# KiCad board PixelWave.kicad_pcb (continued)
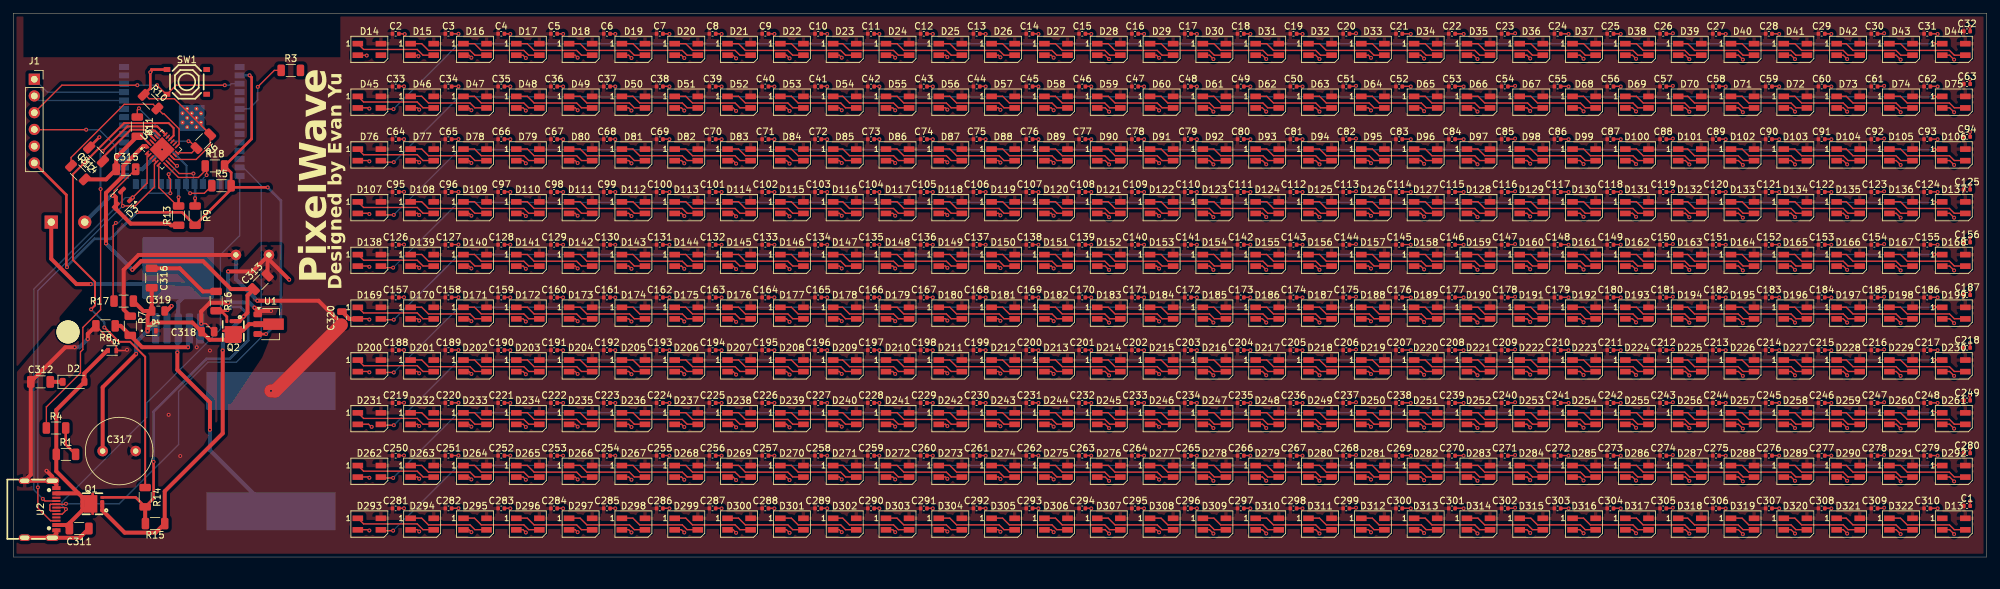
[diagram p0: board, top side]
## Routing (per net, layer and track width the routed paths; a pad name or vN(x,y) marks a point on that pad's centre or on a via; arc(x,y) is an arc through that point) (continued)
Net-(D18-DOUT): length 12.2
  Top w0.2: D18.1 85.87,77.87 86.9,76.85 93.35,76.85 94.08,76.12 D19.3
Net-(D19-DOUT): length 12.2
  Top w0.2: D19.1 93.87,77.87 94.9,76.85 101.35,76.85 102.08,76.12 D20.3
Net-(D20-DOUT): length 12.2
  Top w0.2: D20.1 101.87,77.87 102.9,76.85 109.35,76.85 110.08,76.12 D21.3
Net-(D21-DOUT): length 12.2
  Top w0.2: D21.1 109.87,77.87 110.9,76.85 117.35,76.85 118.08,76.12 D22.3
Net-(D22-DOUT): length 12.2
  Top w0.2: D23.3 126.08,76.12 125.35,76.85 118.9,76.85 117.87,77.87 D22.1
Net-(D23-DOUT): length 12.2
  Top w0.2: D24.3 134.07,76.12 133.35,76.85 126.68,76.85 125.65,77.87 D23.1
Net-(D24-DOUT): length 12.2
  Top w0.2: D24.1 133.87,77.87 134.9,76.85 141.35,76.85 142.07,76.12 D25.3
Net-(D25-DOUT): length 12.2
  Top w0.2: D25.1 141.87,77.87 142.9,76.85 149.35,76.85 150.07,76.12 D26.3
Net-(D26-DOUT): length 12.2
  Top w0.2: D27.3 158.07,76.12 157.35,76.85 150.9,76.85 149.87,77.87 D26.1
Net-(D27-DOUT): length 12.2
  Top w0.2: D28.3 166.07,76.12 165.35,76.85 158.9,76.85 157.87,77.87 D27.1
Net-(D28-DOUT): length 12.2
  Top w0.2: D28.1 165.87,77.87 166.9,76.85 173.3,76.85 174.03,76.12 D29.3
Net-(D29-DOUT): length 12.2
  Top w0.2: D29.1 173.87,77.87 174.9,76.85 181.2,76.85 181.93,76.12 D30.3
Net-(D30-DOUT): length 12.2
  Top w0.2: D31.3 190.03,76.12 189.3,76.85 182.9,76.85 181.87,77.87 D30.1
Net-(D31-DOUT): length 12.2
  Top w0.2: D31.1 189.87,77.87 190.9,76.85 197.3,76.85 198.03,76.12 D32.3
Net-(D32-DOUT): length 12.2
  Top w0.2: D32.1 197.87,77.87 198.9,76.85 205.4,76.85 206.12,76.12 D33.3
Net-(D33-DOUT): length 12.2
  Top w0.2: D34.3 214.03,76.12 213.3,76.85 206.9,76.85 205.87,77.87 D33.1
Net-(D34-DOUT): length 12.2
  Top w0.2: D35.3 222.12,76.12 221.4,76.85 214.9,76.85 213.87,77.87 D34.1
Net-(D35-DOUT): length 12.2
  Top w0.2: D36.3 230.12,76.12 229.4,76.85 222.9,76.85 221.87,77.87 D35.1
Net-(D36-DOUT): length 12.2
  Top w0.2: D36.1 229.87,77.87 230.9,76.85 237.4,76.85 238.12,76.12 D37.3
Net-(D37-DOUT): length 12.2
  Top w0.2: D37.1 237.87,77.87 238.9,76.85 245.35,76.85 246.07,76.12 D38.3
Net-(D38-DOUT): length 12.2
  Top w0.2: D38.1 245.87,77.87 246.9,76.85 253.2,76.85 253.93,76.12 D39.3
Net-(D39-DOUT): length 12.2
  Top w0.2: D40.3 262.03,76.12 261.3,76.85 254.68,76.85 253.65,77.87 D39.1
Net-(D40-DOUT): length 12.2
  Top w0.2: D41.3 270.03,76.12 269.3,76.85 262.9,76.85 261.87,77.87 D40.1
Net-(D41-DOUT): length 12.2
  Top w0.2: D41.1 269.87,77.87 270.9,76.85 277.2,76.85 277.93,76.12 D42.3
Net-(D42-DOUT): length 12.2
  Top w0.2: D42.1 277.65,77.87 278.68,76.85 285.2,76.85 285.93,76.12 D43.3
Net-(D43-DOUT): length 12.2
  Top w0.2: D44.3 294.03,76.12 293.3,76.85 286.9,76.85 285.87,77.87 D43.1
Net-(D44-DOUT): length 240.7
  Top w0.2: D45.3 55.87,67.95 v1(57.6,67.95) ; v1(290.9,77.85) 291,77.85 291.03,77.87 D44.1
  Bottom w0.2: v1(57.6,67.95) 67.5,77.85 v1(290.9,77.85)
Net-(D45-DOUT): length 12.2
  Top w0.2: 52.2,69.9 53.08,69.02 61.2,69.02 62.08,68.15 63.7,68.15
Net-(D46-DOUT): length 12.2
  Top w0.2: 60.2,69.9 61.87,69.9 62.9,68.88 69.2,68.88 69.93,68.15 71.7,68.15
Net-(D47-DOUT): length 12.2
  Top w0.2: 79.7,68.15 78.08,68.15 77.35,68.88 70.9,68.88 69.87,69.9 68.2,69.9
Net-(D48-DOUT): length 12.2
  Top w0.2: 87.7,68.15 86.08,68.15 85.35,68.88 78.9,68.88 77.87,69.9 76.2,69.9
Net-(D49-DOUT): length 12.2
  Top w0.2: 95.7,68.15 94.08,68.15 93.35,68.88 86.9,68.88 85.87,69.9 84.2,69.9
Net-(D50-DOUT): length 12.2
  Top w0.2: 92.2,69.9 93.87,69.9 94.9,68.88 101.35,68.88 102.08,68.15 103.7,68.15
Net-(D51-DOUT): length 12.2
  Top w0.2: 100.2,69.9 101.87,69.9 102.9,68.88 109.35,68.88 110.08,68.15 111.7,68.15
Net-(D52-DOUT): length 12.2
  Top w0.2: 108.2,69.9 109.87,69.9 110.9,68.88 117.35,68.88 118.08,68.15 119.7,68.15
Net-(D53-DOUT): length 12.2
  Top w0.2: 116.2,69.9 117.87,69.9 118.9,68.88 125.35,68.88 126.08,68.15 127.7,68.15
Net-(D54-DOUT): length 12.2
  Top w0.2: 135.7,68.15 134.07,68.15 133.35,68.88 126.68,68.88 125.65,69.9 124.2,69.9
Net-(D55-DOUT): length 12.2
  Top w0.2: 132.2,69.9 133.87,69.9 134.9,68.88 141.35,68.88 142.07,68.15 143.7,68.15
Net-(D56-DOUT): length 12.2
  Top w0.2: 140.2,69.9 141.87,69.9 142.9,68.88 149.35,68.88 150.07,68.15 151.7,68.15
Net-(D57-DOUT): length 12.2
  Top w0.2: 159.7,68.15 158.07,68.15 157.35,68.88 150.9,68.88 149.87,69.9 148.2,69.9
Net-(D58-DOUT): length 12.2
  Top w0.2: 167.7,68.15 166.07,68.15 165.35,68.88 158.9,68.88 157.87,69.9 156.2,69.9
Net-(D59-DOUT): length 12.2
  Top w0.2: 164.2,69.9 165.87,69.9 166.9,68.88 173.3,68.88 174.03,68.15 175.7,68.15
Net-(D60-DOUT): length 12.2
  Top w0.2: 172.2,69.9 173.87,69.9 174.9,68.88 181.2,68.88 181.93,68.15 183.7,68.15
Net-(D61-DOUT): length 12.2
  Top w0.2: 191.7,68.15 190.03,68.15 189.3,68.88 182.9,68.88 181.87,69.9 180.2,69.9
Net-(D62-DOUT): length 12.2
  Top w0.2: 188.2,69.9 189.87,69.9 190.9,68.88 197.3,68.88 198.03,68.15 199.7,68.15
Net-(D63-DOUT): length 12.2
  Top w0.2: 196.2,69.9 197.87,69.9 198.9,68.88 205.4,68.88 206.12,68.15 207.7,68.15
Net-(D64-DOUT): length 12.2
  Top w0.2: 215.7,68.15 214.03,68.15 213.3,68.88 206.9,68.88 205.87,69.9 204.2,69.9
Net-(D65-DOUT): length 12.2
  Top w0.2: 212.2,69.9 213.87,69.9 214.9,68.88 221.4,68.88 222.12,68.15 223.7,68.15
Net-(D66-DOUT): length 12.2
  Top w0.2: 220.2,69.9 221.87,69.9 222.9,68.88 229.4,68.88 230.12,68.15 231.7,68.15
Net-(D67-DOUT): length 12.2
  Top w0.2: 239.7,68.15 238.12,68.15 237.4,68.88 230.9,68.88 229.87,69.9 228.2,69.9
Net-(D68-DOUT): length 12.2
  Top w0.2: 236.2,69.9 237.87,69.9 238.9,68.88 245.35,68.88 246.07,68.15 247.7,68.15
Net-(D69-DOUT): length 12.2
  Top w0.2: 244.2,69.9 245.87,69.9 246.9,68.88 253.2,68.88 253.93,68.15 255.7,68.15
Net-(D70-DOUT): length 12.2
  Top w0.2: 263.7,68.15 262.03,68.15 261.3,68.88 254.68,68.88 253.65,69.9 252.2,69.9
Net-(D71-DOUT): length 12.2
  Top w0.2: 260.2,69.9 261.87,69.9 262.9,68.88 269.3,68.88 270.03,68.15 271.7,68.15
Net-(D72-DOUT): length 12.2
  Top w0.2: 268.2,69.9 269.87,69.9 270.9,68.88 277.2,68.88 277.93,68.15 279.7,68.15
Net-(D73-DOUT): length 12.2
  Top w0.2: 276.2,69.9 277.65,69.9 278.68,68.88 285.2,68.88 285.93,68.15 287.7,68.15
Net-(D74-DOUT): length 12.2
  Top w0.2: 295.7,68.15 294.03,68.15 293.3,68.88 286.9,68.88 285.87,69.9 284.2,69.9
Net-(D75-DOUT): length 240.7
  Top w0.2: v1(57.65,59.9) 55.92,59.9 55.75,60.07 ; 292.25,69.82 291.07,69.82 v1(291.05,69.8)
  Bottom w0.2: v1(57.65,59.9) 67.55,69.8 v1(291.05,69.8)
Net-(D76-DOUT): length 12.2
  Top w0.2: 63.7,60.15 62.08,60.15 61.2,61.02 53.08,61.02 52.2,61.9
Net-(D77-DOUT): length 12.2
  Top w0.2: 71.7,60.15 69.93,60.15 69.2,60.88 62.9,60.88 61.87,61.9 60.2,61.9
Net-(D78-DOUT): length 12.2
  Top w0.2: 68.2,61.9 69.87,61.9 70.9,60.88 77.35,60.88 78.08,60.15 79.7,60.15
Net-(D79-DOUT): length 12.2
  Top w0.2: 87.7,60.15 86.08,60.15 85.35,60.88 78.9,60.88 77.87,61.9 76.2,61.9
Net-(D80-DOUT): length 12.2
  Top w0.2: 84.2,61.9 85.87,61.9 86.9,60.88 93.35,60.88 94.08,60.15 95.7,60.15
Net-(D81-DOUT): length 12.2
  Top w0.2: 103.7,60.15 102.08,60.15 101.35,60.88 94.9,60.88 93.87,61.9 92.2,61.9
Net-(D82-DOUT): length 12.2
  Top w0.2: 111.7,60.15 110.08,60.15 109.35,60.88 102.9,60.88 101.87,61.9 100.2,61.9
Net-(D83-DOUT): length 12.2
  Top w0.2: 108.2,61.9 109.87,61.9 110.9,60.88 117.35,60.88 118.08,60.15 119.7,60.15
Net-(D84-DOUT): length 12.2
  Top w0.2: 127.7,60.15 126.08,60.15 125.35,60.88 118.9,60.88 117.87,61.9 116.2,61.9
Net-(D85-DOUT): length 12.2
  Top w0.2: 135.7,60.15 134.07,60.15 133.35,60.88 126.68,60.88 125.65,61.9 124.2,61.9
Net-(D86-DOUT): length 12.2
  Top w0.2: 132.2,61.9 133.87,61.9 134.9,60.88 141.35,60.88 142.07,60.15 143.7,60.15
Net-(D87-DOUT): length 12.2
  Top w0.2: 140.2,61.9 141.87,61.9 142.9,60.88 149.35,60.88 150.07,60.15 151.7,60.15
Net-(D88-DOUT): length 12.2
  Top w0.2: 148.2,61.9 149.87,61.9 150.9,60.88 157.35,60.88 158.07,60.15 159.7,60.15
Net-(D89-DOUT): length 12.2
  Top w0.2: 156.2,61.9 157.87,61.9 158.9,60.88 165.35,60.88 166.07,60.15 167.7,60.15
Net-(D90-DOUT): length 12.2
  Top w0.2: 164.2,61.9 165.87,61.9 166.9,60.88 173.3,60.88 174.03,60.15 175.7,60.15
Net-(D91-DOUT): length 12.2
  Top w0.2: 183.7,60.15 181.93,60.15 181.2,60.88 174.9,60.88 173.87,61.9 172.2,61.9
Net-(D92-DOUT): length 12.2
  Top w0.2: 191.7,60.15 190.03,60.15 189.3,60.88 182.9,60.88 181.87,61.9 180.2,61.9
Net-(D93-DOUT): length 12.2
  Top w0.2: 199.7,60.15 198.03,60.15 197.3,60.88 190.9,60.88 189.87,61.9 188.2,61.9
Net-(D94-DOUT): length 12.2
  Top w0.2: 207.7,60.15 206.12,60.15 205.4,60.88 198.9,60.88 197.87,61.9 196.2,61.9
Net-(D95-DOUT): length 12.2
  Top w0.2: 215.7,60.15 214.03,60.15 213.3,60.88 206.9,60.88 205.87,61.9 204.2,61.9
Net-(D96-DOUT): length 12.2
  Top w0.2: 212.2,61.9 213.87,61.9 214.9,60.88 221.4,60.88 222.12,60.15 223.7,60.15
Net-(D97-DOUT): length 12.2
  Top w0.2: 231.7,60.15 230.12,60.15 229.4,60.88 222.9,60.88 221.87,61.9 220.2,61.9
Net-(D98-DOUT): length 12.2
  Top w0.2: 239.7,60.15 238.12,60.15 237.4,60.88 230.9,60.88 229.87,61.9 228.2,61.9
Net-(D100-DIN): length 12.2
  Top w0.2: 236.2,61.9 237.87,61.9 238.9,60.88 245.35,60.88 246.07,60.15 247.7,60.15
Net-(D100-DOUT): length 12.2
  Top w0.2: 244.2,61.9 245.87,61.9 246.9,60.88 253.2,60.88 253.93,60.15 255.7,60.15
Net-(D101-DOUT): length 12.2
  Top w0.2: 252.2,61.9 253.65,61.9 254.68,60.88 261.3,60.88 262.03,60.15 263.7,60.15
Net-(D102-DOUT): length 12.2
  Top w0.2: 271.7,60.15 270.03,60.15 269.3,60.88 262.9,60.88 261.87,61.9 260.2,61.9
Net-(D103-DOUT): length 12.2
  Top w0.2: 268.2,61.9 269.87,61.9 270.9,60.88 277.2,60.88 277.93,60.15 279.7,60.15
Net-(D104-DOUT): length 12.2
  Top w0.2: 276.2,61.9 277.65,61.9 278.68,60.88 285.2,60.88 285.93,60.15 287.7,60.15
Net-(D105-DOUT): length 12.2
  Top w0.2: 295.7,60.15 294.03,60.15 293.3,60.88 286.9,60.88 285.87,61.9 284.2,61.9
Net-(D106-DOUT): length 240.7
  Top w0.2: v1(57.65,51.9) 55.92,51.9 55.75,52.07 ; 292.25,61.82 291.07,61.82 v1(291.05,61.8)
  Bottom w0.2: v1(291.05,61.8) 67.55,61.8 v1(57.65,51.9)
Net-(D107-DOUT): length 12.2
  Top w0.2: 63.7,52.15 62.08,52.15 61.2,53.02 53.08,53.02 52.2,53.9
Net-(D108-DOUT): length 12.2
  Top w0.2: 71.7,52.15 69.93,52.15 69.2,52.88 62.9,52.88 61.87,53.9 60.2,53.9
Net-(D109-DOUT): length 12.2
  Top w0.2: 68.2,53.9 69.87,53.9 70.9,52.88 77.35,52.88 78.08,52.15 79.7,52.15
Net-(D110-DOUT): length 12.2
  Top w0.2: 76.2,53.9 77.87,53.9 78.9,52.88 85.35,52.88 86.08,52.15 87.7,52.15
Net-(D111-DOUT): length 12.2
  Top w0.2: 95.7,52.15 94.08,52.15 93.35,52.88 86.9,52.88 85.87,53.9 84.2,53.9
Net-(D112-DOUT): length 12.2
  Top w0.2: 103.7,52.15 102.08,52.15 101.35,52.88 94.9,52.88 93.87,53.9 92.2,53.9
Net-(D113-DOUT): length 12.2
  Top w0.2: 111.7,52.15 110.08,52.15 109.35,52.88 102.9,52.88 101.87,53.9 100.2,53.9
Net-(D114-DOUT): length 12.2
  Top w0.2: 119.7,52.15 118.08,52.15 117.35,52.88 110.9,52.88 109.87,53.9 108.2,53.9
Net-(D115-DOUT): length 12.2
  Top w0.2: 116.2,53.9 117.87,53.9 118.9,52.88 125.35,52.88 126.08,52.15 127.7,52.15
Net-(D116-DOUT): length 12.2
  Top w0.2: 135.7,52.15 134.07,52.15 133.35,52.88 126.68,52.88 125.65,53.9 124.2,53.9
Net-(D117-DOUT): length 12.2
  Top w0.2: 132.2,53.9 133.87,53.9 134.9,52.88 141.35,52.88 142.07,52.15 143.7,52.15
Net-(D118-DOUT): length 12.2
  Top w0.2: 140.2,53.9 141.87,53.9 142.9,52.88 149.35,52.88 150.07,52.15 151.7,52.15
Net-(D119-DOUT): length 12.2
  Top w0.2: 159.7,52.15 158.07,52.15 157.35,52.88 150.9,52.88 149.87,53.9 148.2,53.9
Net-(D120-DOUT): length 12.2
  Top w0.2: 156.2,53.9 157.87,53.9 158.9,52.88 165.35,52.88 166.07,52.15 167.7,52.15
Net-(D121-DOUT): length 12.2
  Top w0.2: 164.2,53.9 165.87,53.9 166.9,52.88 173.3,52.88 174.03,52.15 175.7,52.15
Net-(D122-DOUT): length 12.2
  Top w0.2: 172.2,53.9 173.87,53.9 174.9,52.88 181.2,52.88 181.93,52.15 183.7,52.15
Net-(D123-DOUT): length 12.2
  Top w0.2: 180.2,53.9 181.87,53.9 182.9,52.88 189.3,52.88 190.03,52.15 191.7,52.15
Net-(D124-DOUT): length 12.2
  Top w0.2: 188.2,53.9 189.87,53.9 190.9,52.88 197.3,52.88 198.03,52.15 199.7,52.15
Net-(D125-DOUT): length 12.2
  Top w0.2: 207.7,52.15 206.12,52.15 205.4,52.88 198.9,52.88 197.87,53.9 196.2,53.9
Net-(D126-DOUT): length 12.2
  Top w0.2: 215.7,52.15 214.03,52.15 213.3,52.88 206.9,52.88 205.87,53.9 204.2,53.9
Net-(D127-DOUT): length 12.2
  Top w0.2: 212.2,53.9 213.87,53.9 214.9,52.88 221.4,52.88 222.12,52.15 223.7,52.15
Net-(D128-DOUT): length 12.2
  Top w0.2: 231.7,52.15 230.12,52.15 229.4,52.88 222.9,52.88 221.87,53.9 220.2,53.9
Net-(D129-DOUT): length 12.2
  Top w0.2: 228.2,53.9 229.87,53.9 230.9,52.88 237.4,52.88 238.12,52.15 239.7,52.15
Net-(D130-DOUT): length 12.2
  Top w0.2: 247.7,52.15 246.07,52.15 245.35,52.88 238.9,52.88 237.87,53.9 236.2,53.9
Net-(D131-DOUT): length 12.2
  Top w0.2: 255.7,52.15 253.93,52.15 253.2,52.88 246.9,52.88 245.87,53.9 244.2,53.9
Net-(D132-DOUT): length 12.2
  Top w0.2: 263.7,52.15 262.03,52.15 261.3,52.88 254.68,52.88 253.65,53.9 252.2,53.9
Net-(D133-DOUT): length 12.2
  Top w0.2: 260.2,53.9 261.87,53.9 262.9,52.88 269.3,52.88 270.03,52.15 271.7,52.15
Net-(D134-DOUT): length 12.2
  Top w0.2: 268.2,53.9 269.87,53.9 270.9,52.88 277.2,52.88 277.93,52.15 279.7,52.15
Net-(D135-DOUT): length 12.2
  Top w0.2: 287.7,52.15 285.93,52.15 285.2,52.88 278.68,52.88 277.65,53.9 276.2,53.9
Net-(D136-DOUT): length 12.2
  Top w0.2: 295.7,52.15 294.03,52.15 293.3,52.88 286.9,52.88 285.87,53.9 284.2,53.9
Net-(D137-DOUT): length 240.7
  Top w0.2: v1(290.95,53.8) 290.98,53.82 292.15,53.82 ; 55.65,44.07 55.83,43.9 v1(57.55,43.9)
  Bottom w0.2: v1(57.55,43.9) 67.45,53.8 v1(290.95,53.8)
Net-(D138-DOUT): length 12.2
  Top w0.2: 63.7,44.15 62.08,44.15 61.2,45.02 53.08,45.02 52.2,45.9
Net-(D139-DOUT): length 12.2
  Top w0.2: 60.2,45.9 61.87,45.9 62.9,44.88 69.2,44.88 69.93,44.15 71.7,44.15
Net-(D140-DOUT): length 12.2
  Top w0.2: 68.2,45.9 69.87,45.9 70.9,44.88 77.35,44.88 78.08,44.15 79.7,44.15
Net-(D141-DOUT): length 12.2
  Top w0.2: 87.7,44.15 86.08,44.15 85.35,44.88 78.9,44.88 77.87,45.9 76.2,45.9
Net-(D142-DOUT): length 12.2
  Top w0.2: 95.7,44.15 94.08,44.15 93.35,44.88 86.9,44.88 85.87,45.9 84.2,45.9
Net-(D143-DOUT): length 12.2
  Top w0.2: 92.2,45.9 93.87,45.9 94.9,44.88 101.35,44.88 102.08,44.15 103.7,44.15
Net-(D144-DOUT): length 12.2
  Top w0.2: 100.2,45.9 101.87,45.9 102.9,44.88 109.35,44.88 110.08,44.15 111.7,44.15
Net-(D145-DOUT): length 12.2
  Top w0.2: 119.7,44.15 118.08,44.15 117.35,44.88 110.9,44.88 109.87,45.9 108.2,45.9
Net-(D146-DOUT): length 12.2
  Top w0.2: 127.7,44.15 126.08,44.15 125.35,44.88 118.9,44.88 117.87,45.9 116.2,45.9
Net-(D147-DOUT): length 12.2
  Top w0.2: 124.2,45.9 125.65,45.9 126.68,44.88 133.35,44.88 134.07,44.15 135.7,44.15
Net-(D148-DOUT): length 12.2
  Top w0.2: 132.2,45.9 133.87,45.9 134.9,44.88 141.35,44.88 142.07,44.15 143.7,44.15
Net-(D149-DOUT): length 12.2
  Top w0.2: 140.2,45.9 141.87,45.9 142.9,44.88 149.35,44.88 150.07,44.15 151.7,44.15
Net-(D150-DOUT): length 12.2
  Top w0.2: 159.7,44.15 158.07,44.15 157.35,44.88 150.9,44.88 149.87,45.9 148.2,45.9
Net-(D151-DOUT): length 12.2
  Top w0.2: 167.7,44.15 166.07,44.15 165.35,44.88 158.9,44.88 157.87,45.9 156.2,45.9
Net-(D152-DOUT): length 12.2
  Top w0.2: 164.2,45.9 165.87,45.9 166.9,44.88 173.3,44.88 174.03,44.15 175.7,44.15
Net-(D153-DOUT): length 12.2
  Top w0.2: 183.7,44.15 181.93,44.15 181.2,44.88 174.9,44.88 173.87,45.9 172.2,45.9
Net-(D154-DOUT): length 12.2
  Top w0.2: 180.2,45.9 181.87,45.9 182.9,44.88 189.3,44.88 190.03,44.15 191.7,44.15
Net-(D155-DOUT): length 12.2
  Top w0.2: 199.7,44.15 198.03,44.15 197.3,44.88 190.9,44.88 189.87,45.9 188.2,45.9
Net-(D156-DOUT): length 12.2
  Top w0.2: 196.2,45.9 197.87,45.9 198.9,44.88 205.4,44.88 206.12,44.15 207.7,44.15
Net-(D157-DOUT): length 12.2
  Top w0.2: 204.2,45.9 205.87,45.9 206.9,44.88 213.3,44.88 214.03,44.15 215.7,44.15
Net-(D158-DOUT): length 12.2
  Top w0.2: 212.2,45.9 213.87,45.9 214.9,44.88 221.4,44.88 222.12,44.15 223.7,44.15
Net-(D159-DOUT): length 12.2
  Top w0.2: 231.7,44.15 230.12,44.15 229.4,44.88 222.9,44.88 221.87,45.9 220.2,45.9
Net-(D160-DOUT): length 12.2
  Top w0.2: 228.2,45.9 229.87,45.9 230.9,44.88 237.4,44.88 238.12,44.15 239.7,44.15
Net-(D161-DOUT): length 12.2
  Top w0.2: 236.2,45.9 237.87,45.9 238.9,44.88 245.35,44.88 246.07,44.15 247.7,44.15
Net-(D162-DOUT): length 12.2
  Top w0.2: 244.2,45.9 245.87,45.9 246.9,44.88 253.2,44.88 253.93,44.15 255.7,44.15
Net-(D163-DOUT): length 12.2
  Top w0.2: 263.7,44.15 262.03,44.15 261.3,44.88 254.68,44.88 253.65,45.9 252.2,45.9
Net-(D164-DOUT): length 12.2
  Top w0.2: 260.2,45.9 261.87,45.9 262.9,44.88 269.3,44.88 270.03,44.15 271.7,44.15
Net-(D165-DOUT): length 12.2
  Top w0.2: 279.7,44.15 277.93,44.15 277.2,44.88 270.9,44.88 269.87,45.9 268.2,45.9
Net-(D166-DOUT): length 12.2
  Top w0.2: 276.2,45.9 277.65,45.9 278.68,44.88 285.2,44.88 285.93,44.15 287.7,44.15
Net-(D167-DOUT): length 12.2
  Top w0.2: 284.2,45.9 285.87,45.9 286.9,44.88 293.3,44.88 294.03,44.15 295.7,44.15
Net-(D168-DOUT): length 240.7
  Top w0.2: v1(57.65,36) 55.92,36 55.75,36.17 ; 292.25,45.92 291.07,45.92 v1(291.05,45.9)
  Bottom w0.2: v1(57.65,36) 67.55,45.9 v1(291.05,45.9)
Net-(D169-DOUT): length 12.2
  Top w0.2: 52.2,37.9 53.08,37.02 61.2,37.02 62.08,36.15 63.7,36.15
Net-(D170-DOUT): length 12.2
  Top w0.2: 71.7,36.15 69.93,36.15 69.2,36.88 62.9,36.88 61.87,37.9 60.2,37.9
Net-(D171-DOUT): length 12.2
  Top w0.2: 79.7,36.15 78.08,36.15 77.35,36.88 70.9,36.88 69.87,37.9 68.2,37.9
Net-(D172-DOUT): length 12.2
  Top w0.2: 87.7,36.15 86.08,36.15 85.35,36.88 78.9,36.88 77.87,37.9 76.2,37.9
Net-(D173-DOUT): length 12.2
  Top w0.2: 95.7,36.15 94.08,36.15 93.35,36.88 86.9,36.88 85.87,37.9 84.2,37.9
Net-(D174-DOUT): length 12.2
  Top w0.2: 92.2,37.9 93.87,37.9 94.9,36.88 101.35,36.88 102.08,36.15 103.7,36.15
Net-(D175-DOUT): length 12.2
  Top w0.2: 111.7,36.15 110.08,36.15 109.35,36.88 102.9,36.88 101.87,37.9 100.2,37.9
Net-(D176-DOUT): length 12.2
  Top w0.2: 108.2,37.9 109.87,37.9 110.9,36.88 117.35,36.88 118.08,36.15 119.7,36.15
Net-(D177-DOUT): length 12.2
  Top w0.2: 127.7,36.15 126.08,36.15 125.35,36.88 118.9,36.88 117.87,37.9 116.2,37.9
Net-(D178-DOUT): length 12.2
  Top w0.2: 124.2,37.9 125.65,37.9 126.68,36.88 133.35,36.88 134.07,36.15 135.7,36.15
Net-(D179-DOUT): length 12.2
  Top w0.2: 132.2,37.9 133.87,37.9 134.9,36.88 141.35,36.88 142.07,36.15 143.7,36.15
Net-(D180-DOUT): length 12.2
  Top w0.2: 151.7,36.15 150.07,36.15 149.35,36.88 142.9,36.88 141.87,37.9 140.2,37.9
Net-(D181-DOUT): length 12.2
  Top w0.2: 148.2,37.9 149.87,37.9 150.9,36.88 157.35,36.88 158.07,36.15 159.7,36.15
Net-(D182-DOUT): length 12.2
  Top w0.2: 167.7,36.15 166.07,36.15 165.35,36.88 158.9,36.88 157.87,37.9 156.2,37.9
Net-(D183-DOUT): length 12.2
  Top w0.2: 175.7,36.15 174.03,36.15 173.3,36.88 166.9,36.88 165.87,37.9 164.2,37.9
Net-(D184-DOUT): length 12.2
  Top w0.2: 172.2,37.9 173.87,37.9 174.9,36.88 181.2,36.88 181.93,36.15 183.7,36.15
Net-(D185-DOUT): length 12.2
  Top w0.2: 191.7,36.15 190.03,36.15 189.3,36.88 182.9,36.88 181.87,37.9 180.2,37.9
Net-(D186-DOUT): length 12.2
  Top w0.2: 188.2,37.9 189.87,37.9 190.9,36.88 197.3,36.88 198.03,36.15 199.7,36.15
Net-(D187-DOUT): length 12.2
  Top w0.2: 196.2,37.9 197.87,37.9 198.9,36.88 205.4,36.88 206.12,36.15 207.7,36.15
Net-(D188-DOUT): length 12.2
  Top w0.2: 204.2,37.9 205.87,37.9 206.9,36.88 213.3,36.88 214.03,36.15 215.7,36.15
Net-(D189-DOUT): length 12.2
  Top w0.2: 223.7,36.15 222.12,36.15 221.4,36.88 214.9,36.88 213.87,37.9 212.2,37.9
Net-(D190-DOUT): length 12.2
  Top w0.2: 220.2,37.9 221.87,37.9 222.9,36.88 229.4,36.88 230.12,36.15 231.7,36.15
Net-(D191-DOUT): length 12.2
  Top w0.2: 239.7,36.15 238.12,36.15 237.4,36.88 230.9,36.88 229.87,37.9 228.2,37.9
Net-(D192-DOUT): length 12.2
  Top w0.2: 247.7,36.15 246.07,36.15 245.35,36.88 238.9,36.88 237.87,37.9 236.2,37.9
Net-(D193-DOUT): length 12.2
  Top w0.2: 255.7,36.15 253.93,36.15 253.2,36.88 246.9,36.88 245.87,37.9 244.2,37.9
Net-(D194-DOUT): length 12.2
  Top w0.2: 252.2,37.9 253.65,37.9 254.68,36.88 261.3,36.88 262.03,36.15 263.7,36.15
Net-(D195-DOUT): length 12.2
  Top w0.2: 271.7,36.15 270.03,36.15 269.3,36.88 262.9,36.88 261.87,37.9 260.2,37.9
Net-(D196-DOUT): length 12.2
  Top w0.2: 279.7,36.15 277.93,36.15 277.2,36.88 270.9,36.88 269.87,37.9 268.2,37.9
Net-(D197-DOUT): length 12.2
  Top w0.2: 287.7,36.15 285.93,36.15 285.2,36.88 278.68,36.88 277.65,37.9 276.2,37.9
Net-(D198-DOUT): length 12.2
  Top w0.2: 295.7,36.15 294.03,36.15 293.3,36.88 286.9,36.88 285.87,37.9 284.2,37.9
Net-(D199-DOUT): length 240.7
  Top w0.2: 292.25,37.92 291.07,37.92 v1(291.05,37.9) ; 55.75,28.17 55.92,28 v1(57.65,28)
  Bottom w0.2: v1(291.05,37.9) 67.55,37.9 v1(57.65,28)
Net-(D200-DOUT): length 12.2
  Top w0.2: 63.7,28.15 62.08,28.15 61.2,29.02 53.08,29.02 52.2,29.9
Net-(D201-DOUT): length 12.2
  Top w0.2: 60.2,29.9 61.87,29.9 62.9,28.88 69.2,28.88 69.93,28.15 71.7,28.15
Net-(D202-DOUT): length 12.2
  Top w0.2: 68.2,29.9 69.87,29.9 70.9,28.88 77.35,28.88 78.08,28.15 79.7,28.15
Net-(D203-DOUT): length 12.2
  Top w0.2: 87.7,28.15 86.08,28.15 85.35,28.88 78.9,28.88 77.87,29.9 76.2,29.9
Net-(D204-DOUT): length 12.2
  Top w0.2: 84.2,29.9 85.87,29.9 86.9,28.88 93.35,28.88 94.08,28.15 95.7,28.15
Net-(D205-DOUT): length 12.2
  Top w0.2: 92.2,29.9 93.87,29.9 94.9,28.88 101.35,28.88 102.08,28.15 103.7,28.15
Net-(D206-DOUT): length 12.2
  Top w0.2: 111.7,28.15 110.08,28.15 109.35,28.88 102.9,28.88 101.87,29.9 100.2,29.9
Net-(D207-DOUT): length 12.2
  Top w0.2: 119.7,28.15 118.08,28.15 117.35,28.88 110.9,28.88 109.87,29.9 108.2,29.9
Net-(D208-DOUT): length 12.2
  Top w0.2: 116.2,29.9 117.87,29.9 118.9,28.88 125.35,28.88 126.08,28.15 127.7,28.15
Net-(D209-DOUT): length 12.2
  Top w0.2: 124.2,29.9 125.65,29.9 126.68,28.88 133.35,28.88 134.07,28.15 135.7,28.15
Net-(D210-DOUT): length 12.2
  Top w0.2: 143.7,28.15 142.07,28.15 141.35,28.88 134.9,28.88 133.87,29.9 132.2,29.9
Net-(D211-DOUT): length 12.2
  Top w0.2: 140.2,29.9 141.87,29.9 142.9,28.88 149.35,28.88 150.07,28.15 151.7,28.15
Net-(D212-DOUT): length 12.2
  Top w0.2: 148.2,29.9 149.87,29.9 150.9,28.88 157.35,28.88 158.07,28.15 159.7,28.15
Net-(D213-DOUT): length 12.2
  Top w0.2: 156.2,29.9 157.87,29.9 158.9,28.88 165.35,28.88 166.07,28.15 167.7,28.15
Net-(D214-DOUT): length 12.2
  Top w0.2: 164.2,29.9 165.87,29.9 166.9,28.88 173.3,28.88 174.03,28.15 175.7,28.15
Net-(D215-DOUT): length 12.2
  Top w0.2: 172.2,29.9 173.87,29.9 174.9,28.88 181.2,28.88 181.93,28.15 183.7,28.15
Net-(D216-DOUT): length 12.2
  Top w0.2: 180.2,29.9 181.87,29.9 182.9,28.88 189.3,28.88 190.03,28.15 191.7,28.15
Net-(D217-DOUT): length 12.2
  Top w0.2: 199.7,28.15 198.03,28.15 197.3,28.88 190.9,28.88 189.87,29.9 188.2,29.9
Net-(D218-DOUT): length 12.2
  Top w0.2: 196.2,29.9 197.87,29.9 198.9,28.88 205.4,28.88 206.12,28.15 207.7,28.15
Net-(D219-DOUT): length 12.2
  Top w0.2: 215.7,28.15 214.03,28.15 213.3,28.88 206.9,28.88 205.87,29.9 204.2,29.9
Net-(D220-DOUT): length 12.2
  Top w0.2: 212.2,29.9 213.87,29.9 214.9,28.88 221.4,28.88 222.12,28.15 223.7,28.15
Net-(D221-DOUT): length 12.2
  Top w0.2: 231.7,28.15 230.12,28.15 229.4,28.88 222.9,28.88 221.87,29.9 220.2,29.9
Net-(D222-DOUT): length 12.2
  Top w0.2: 228.2,29.9 229.87,29.9 230.9,28.88 237.4,28.88 238.12,28.15 239.7,28.15
Net-(D223-DOUT): length 12.2
  Top w0.2: 236.2,29.9 237.87,29.9 238.9,28.88 245.35,28.88 246.07,28.15 247.7,28.15
Net-(D224-DOUT): length 12.2
  Top w0.2: 244.2,29.9 245.87,29.9 246.9,28.88 253.2,28.88 253.93,28.15 255.7,28.15
Net-(D225-DOUT): length 12.2
  Top w0.2: 252.2,29.9 253.65,29.9 254.68,28.88 261.3,28.88 262.03,28.15 263.7,28.15
Net-(D226-DOUT): length 12.2
  Top w0.2: 260.2,29.9 261.87,29.9 262.9,28.88 269.3,28.88 270.03,28.15 271.7,28.15
Net-(D227-DOUT): length 12.2
  Top w0.2: 279.7,28.15 277.93,28.15 277.2,28.88 270.9,28.88 269.87,29.9 268.2,29.9
Net-(D228-DOUT): length 12.2
  Top w0.2: 276.2,29.9 277.65,29.9 278.68,28.88 285.2,28.88 285.93,28.15 287.7,28.15
Net-(D229-DOUT): length 12.2
  Top w0.2: 295.7,28.15 294.03,28.15 293.3,28.88 286.9,28.88 285.87,29.9 284.2,29.9
Net-(D230-DOUT): length 240.7
  Top w0.2: 292.25,29.92 291.07,29.92 v1(291.05,29.9) ; 55.75,20.17 55.92,20 v1(57.65,20)
  Bottom w0.2: v1(57.65,20) 67.55,29.9 v1(291.05,29.9)
Net-(D231-DOUT): length 12.2
  Top w0.2: 52.2,21.9 53.08,21.02 61.2,21.02 62.08,20.15 63.7,20.15
Net-(D232-DOUT): length 12.2
  Top w0.2: 60.2,21.9 61.87,21.9 62.9,20.88 69.2,20.88 69.93,20.15 71.7,20.15
Net-(D233-DOUT): length 12.2
  Top w0.2: 79.7,20.15 78.08,20.15 77.35,20.88 70.9,20.88 69.87,21.9 68.2,21.9
Net-(D234-DOUT): length 12.2
  Top w0.2: 76.2,21.9 77.87,21.9 78.9,20.88 85.35,20.88 86.08,20.15 87.7,20.15
Net-(D235-DOUT): length 12.2
  Top w0.2: 95.7,20.15 94.08,20.15 93.35,20.88 86.9,20.88 85.87,21.9 84.2,21.9
Net-(D236-DOUT): length 12.2
  Top w0.2: 103.7,20.15 102.08,20.15 101.35,20.88 94.9,20.88 93.87,21.9 92.2,21.9
Net-(D237-DOUT): length 12.2
  Top w0.2: 100.2,21.9 101.87,21.9 102.9,20.88 109.35,20.88 110.08,20.15 111.7,20.15
Net-(D238-DOUT): length 12.2
  Top w0.2: 108.2,21.9 109.87,21.9 110.9,20.88 117.35,20.88 118.08,20.15 119.7,20.15
Net-(D239-DOUT): length 12.2
  Top w0.2: 116.2,21.9 117.87,21.9 118.9,20.88 125.35,20.88 126.08,20.15 127.7,20.15
Net-(D240-DOUT): length 12.2
  Top w0.2: 135.7,20.15 134.07,20.15 133.35,20.88 126.68,20.88 125.65,21.9 124.2,21.9
Net-(D241-DOUT): length 12.2
  Top w0.2: 143.7,20.15 142.07,20.15 141.35,20.88 134.9,20.88 133.87,21.9 132.2,21.9
Net-(D242-DOUT): length 12.2
  Top w0.2: 151.7,20.15 150.07,20.15 149.35,20.88 142.9,20.88 141.87,21.9 140.2,21.9
Net-(D243-DOUT): length 12.2
  Top w0.2: 159.7,20.15 158.07,20.15 157.35,20.88 150.9,20.88 149.87,21.9 148.2,21.9
Net-(D244-DOUT): length 12.2
  Top w0.2: 156.2,21.9 157.87,21.9 158.9,20.88 165.35,20.88 166.07,20.15 167.7,20.15
Net-(D245-DOUT): length 12.2
  Top w0.2: 175.7,20.15 174.03,20.15 173.3,20.88 166.9,20.88 165.87,21.9 164.2,21.9
Net-(D246-DOUT): length 12.2
  Top w0.2: 183.7,20.15 181.93,20.15 181.2,20.88 174.9,20.88 173.87,21.9 172.2,21.9
Net-(D247-DOUT): length 12.2
  Top w0.2: 191.7,20.15 190.03,20.15 189.3,20.88 182.9,20.88 181.87,21.9 180.2,21.9
Net-(D248-DOUT): length 12.2
  Top w0.2: 188.2,21.9 189.87,21.9 190.9,20.88 197.3,20.88 198.03,20.15 199.7,20.15
Net-(D249-DOUT): length 12.2
  Top w0.2: 196.2,21.9 197.87,21.9 198.9,20.88 205.4,20.88 206.12,20.15 207.7,20.15
Net-(D250-DOUT): length 12.2
  Top w0.2: 215.7,20.15 214.03,20.15 213.3,20.88 206.9,20.88 205.87,21.9 204.2,21.9
Net-(D251-DOUT): length 12.2
  Top w0.2: 212.2,21.9 213.87,21.9 214.9,20.88 221.4,20.88 222.12,20.15 223.7,20.15
Net-(D252-DOUT): length 12.2
  Top w0.2: 231.7,20.15 230.12,20.15 229.4,20.88 222.9,20.88 221.87,21.9 220.2,21.9
Net-(D253-DOUT): length 12.2
  Top w0.2: 228.2,21.9 229.87,21.9 230.9,20.88 237.4,20.88 238.12,20.15 239.7,20.15
Net-(D254-DOUT): length 12.2
  Top w0.2: 236.2,21.9 237.87,21.9 238.9,20.88 245.35,20.88 246.07,20.15 247.7,20.15
Net-(D255-DOUT): length 12.2
  Top w0.2: 255.7,20.15 253.93,20.15 253.2,20.88 246.9,20.88 245.87,21.9 244.2,21.9
Net-(D256-DOUT): length 12.2
  Top w0.2: 252.2,21.9 253.65,21.9 254.68,20.88 261.3,20.88 262.03,20.15 263.7,20.15
Net-(D257-DOUT): length 12.2
  Top w0.2: 271.7,20.15 270.03,20.15 269.3,20.88 262.9,20.88 261.87,21.9 260.2,21.9
Net-(D258-DOUT): length 12.2
  Top w0.2: 268.2,21.9 269.87,21.9 270.9,20.88 277.2,20.88 277.93,20.15 279.7,20.15
Net-(D259-DOUT): length 12.2
  Top w0.2: 276.2,21.9 277.65,21.9 278.68,20.88 285.2,20.88 285.93,20.15 287.7,20.15
Net-(D260-DOUT): length 12.2
  Top w0.2: 284.2,21.9 285.87,21.9 286.9,20.88 293.3,20.88 294.03,20.15 295.7,20.15
Net-(D261-DOUT): length 240.7
  Top w0.2: 55.65,12.17 55.83,12 v1(57.55,12) ; v1(290.95,21.9) 290.98,21.92 292.15,21.92
  Bottom w0.2: v1(57.55,12) 67.45,21.9 v1(290.95,21.9)
Net-(D262-DOUT): length 12.2
  Top w0.2: 63.7,12.15 62.08,12.15 61.2,13.02 53.08,13.02 52.2,13.9
Net-(D263-DOUT): length 12.2
  Top w0.2: 71.7,12.15 69.93,12.15 69.2,12.88 62.9,12.88 61.87,13.9 60.2,13.9
Net-(D264-DOUT): length 12.2
  Top w0.2: 68.2,13.9 69.87,13.9 70.9,12.88 77.35,12.88 78.08,12.15 79.7,12.15
Net-(D265-DOUT): length 12.2
  Top w0.2: 87.7,12.15 86.08,12.15 85.35,12.88 78.9,12.88 77.87,13.9 76.2,13.9
Net-(D266-DOUT): length 12.2
  Top w0.2: 84.2,13.9 85.87,13.9 86.9,12.88 93.35,12.88 94.08,12.15 95.7,12.15
Net-(D267-DOUT): length 12.2
  Top w0.2: 92.2,13.9 93.87,13.9 94.9,12.88 101.35,12.88 102.08,12.15 103.7,12.15
Net-(D268-DOUT): length 12.2
  Top w0.2: 111.7,12.15 110.08,12.15 109.35,12.88 102.9,12.88 101.87,13.9 100.2,13.9
Net-(D269-DOUT): length 12.2
  Top w0.2: 108.2,13.9 109.87,13.9 110.9,12.88 117.35,12.88 118.08,12.15 119.7,12.15
Net-(D270-DOUT): length 12.2
  Top w0.2: 116.2,13.9 117.87,13.9 118.9,12.88 125.35,12.88 126.08,12.15 127.7,12.15
Net-(D271-DOUT): length 12.2
  Top w0.2: 135.7,12.15 134.07,12.15 133.35,12.88 126.68,12.88 125.65,13.9 124.2,13.9
Net-(D272-DOUT): length 12.2
  Top w0.2: 132.2,13.9 133.87,13.9 134.9,12.88 141.35,12.88 142.07,12.15 143.7,12.15
Net-(D273-DOUT): length 12.2
  Top w0.2: 151.7,12.15 150.07,12.15 149.35,12.88 142.9,12.88 141.87,13.9 140.2,13.9
Net-(D274-DOUT): length 12.2
  Top w0.2: 159.7,12.15 158.07,12.15 157.35,12.88 150.9,12.88 149.87,13.9 148.2,13.9
Net-(D275-DOUT): length 12.2
  Top w0.2: 156.2,13.9 157.87,13.9 158.9,12.88 165.35,12.88 166.07,12.15 167.7,12.15
Net-(D276-DOUT): length 12.2
  Top w0.2: 175.7,12.15 174.03,12.15 173.3,12.88 166.9,12.88 165.87,13.9 164.2,13.9
Net-(D277-DOUT): length 12.2
  Top w0.2: 183.7,12.15 181.93,12.15 181.2,12.88 174.9,12.88 173.87,13.9 172.2,13.9
Net-(D278-DOUT): length 12.2
  Top w0.2: 180.2,13.9 181.87,13.9 182.9,12.88 189.3,12.88 190.03,12.15 191.7,12.15
Net-(D279-DOUT): length 12.2
  Top w0.2: 199.7,12.15 198.03,12.15 197.3,12.88 190.9,12.88 189.87,13.9 188.2,13.9
Net-(D280-DOUT): length 12.2
  Top w0.2: 196.2,13.9 197.87,13.9 198.9,12.88 205.4,12.88 206.12,12.15 207.7,12.15
Net-(D281-DOUT): length 12.2
  Top w0.2: 204.2,13.9 205.87,13.9 206.9,12.88 213.3,12.88 214.03,12.15 215.7,12.15
Net-(D282-DOUT): length 12.2
  Top w0.2: 212.2,13.9 213.87,13.9 214.9,12.88 221.4,12.88 222.12,12.15 223.7,12.15
Net-(D283-DOUT): length 12.2
  Top w0.2: 231.7,12.15 230.12,12.15 229.4,12.88 222.9,12.88 221.87,13.9 220.2,13.9
Net-(D284-DOUT): length 12.2
  Top w0.2: 228.2,13.9 229.87,13.9 230.9,12.88 237.4,12.88 238.12,12.15 239.7,12.15
Net-(D285-DOUT): length 12.2
  Top w0.2: 247.7,12.15 246.07,12.15 245.35,12.88 238.9,12.88 237.87,13.9 236.2,13.9
Net-(D286-DOUT): length 12.2
  Top w0.2: 255.7,12.15 253.93,12.15 253.2,12.88 246.9,12.88 245.87,13.9 244.2,13.9
Net-(D287-DOUT): length 12.2
  Top w0.2: 263.7,12.15 262.03,12.15 261.3,12.88 254.68,12.88 253.65,13.9 252.2,13.9
Net-(D288-DOUT): length 12.2
  Top w0.2: 271.7,12.15 270.03,12.15 269.3,12.88 262.9,12.88 261.87,13.9 260.2,13.9
Net-(D289-DOUT): length 12.2
  Top w0.2: 279.7,12.15 277.93,12.15 277.2,12.88 270.9,12.88 269.87,13.9 268.2,13.9
Net-(D290-DOUT): length 12.2
  Top w0.2: 287.7,12.15 285.93,12.15 285.2,12.88 278.68,12.88 277.65,13.9 276.2,13.9
Net-(D291-DOUT): length 12.2
  Top w0.2: 295.7,12.15 294.03,12.15 293.3,12.88 286.9,12.88 285.87,13.9 284.2,13.9
Net-(D292-DOUT): length 240.7
  Top w0.2: 55.65,4.17 55.83,4 v1(57.55,4) ; 292.15,13.92 290.98,13.92 v1(290.95,13.9)
  Bottom w0.2: v1(57.55,4) 67.45,13.9 v1(290.95,13.9)
Net-(D293-DOUT): length 12.2
  Top w0.2: 52.2,5.9 53.08,5.02 61.2,5.02 62.08,4.15 63.7,4.15
Net-(D294-DOUT): length 12.2
  Top w0.2: 60.2,5.9 61.87,5.9 62.9,4.88 69.2,4.88 69.93,4.15 71.7,4.15
Net-(D295-DOUT): length 12.2
  Top w0.2: 68.2,5.9 69.87,5.9 70.9,4.88 77.35,4.88 78.08,4.15 79.7,4.15
Net-(D296-DOUT): length 12.2
  Top w0.2: 76.2,5.9 77.87,5.9 78.9,4.88 85.35,4.88 86.08,4.15 87.7,4.15
Net-(D297-DOUT): length 12.2
  Top w0.2: 95.7,4.15 94.08,4.15 93.35,4.88 86.9,4.88 85.87,5.9 84.2,5.9
Net-(D298-DOUT): length 12.2
  Top w0.2: 103.7,4.15 102.08,4.15 101.35,4.88 94.9,4.88 93.87,5.9 92.2,5.9
Net-(D299-DOUT): length 12.2
  Top w0.2: 111.7,4.15 110.08,4.15 109.35,4.88 102.9,4.88 101.87,5.9 100.2,5.9
Net-(D300-DOUT): length 12.2
  Top w0.2: 108.2,5.9 109.87,5.9 110.9,4.88 117.35,4.88 118.08,4.15 119.7,4.15
Net-(D301-DOUT): length 12.2
  Top w0.2: 116.2,5.9 117.87,5.9 118.9,4.88 125.35,4.88 126.08,4.15 127.7,4.15
Net-(D302-DOUT): length 12.2
  Top w0.2: 135.7,4.15 134.07,4.15 133.35,4.88 126.68,4.88 125.65,5.9 124.2,5.9
Net-(D303-DOUT): length 12.2
  Top w0.2: 143.7,4.15 142.07,4.15 141.35,4.88 134.9,4.88 133.87,5.9 132.2,5.9
Net-(D304-DOUT): length 12.2
  Top w0.2: 140.2,5.9 141.87,5.9 142.9,4.88 149.35,4.88 150.07,4.15 151.7,4.15
Net-(D305-DOUT): length 12.2
  Top w0.2: 159.7,4.15 158.07,4.15 157.35,4.88 150.9,4.88 149.87,5.9 148.2,5.9
Net-(D306-DOUT): length 12.2
  Top w0.2: 156.2,5.9 157.87,5.9 158.9,4.88 165.35,4.88 166.07,4.15 167.7,4.15
Net-(D307-DOUT): length 12.2
  Top w0.2: 175.7,4.15 174.03,4.15 173.3,4.88 166.9,4.88 165.87,5.9 164.2,5.9
Net-(D308-DOUT): length 12.2
  Top w0.2: 172.2,5.9 173.87,5.9 174.9,4.88 181.2,4.88 181.93,4.15 183.7,4.15
Net-(D309-DOUT): length 12.2
  Top w0.2: 191.7,4.15 190.03,4.15 189.3,4.88 182.9,4.88 181.87,5.9 180.2,5.9
Net-(D310-DOUT): length 12.2
  Top w0.2: 188.2,5.9 189.87,5.9 190.9,4.88 197.3,4.88 198.03,4.15 199.7,4.15
Net-(D311-DOUT): length 12.2
  Top w0.2: 196.2,5.9 197.87,5.9 198.9,4.88 205.4,4.88 206.12,4.15 207.7,4.15
Net-(D312-DOUT): length 12.2
  Top w0.2: 215.7,4.15 214.03,4.15 213.3,4.88 206.9,4.88 205.87,5.9 204.2,5.9
Net-(D313-DOUT): length 12.2
  Top w0.2: 223.7,4.15 222.12,4.15 221.4,4.88 214.9,4.88 213.87,5.9 212.2,5.9
Net-(D314-DOUT): length 12.2
  Top w0.2: 231.7,4.15 230.12,4.15 229.4,4.88 222.9,4.88 221.87,5.9 220.2,5.9
Net-(D315-DOUT): length 12.2
  Top w0.2: 228.2,5.9 229.87,5.9 230.9,4.88 237.4,4.88 238.12,4.15 239.7,4.15
Net-(D316-DOUT): length 12.2
  Top w0.2: 247.7,4.15 246.07,4.15 245.35,4.88 238.9,4.88 237.87,5.9 236.2,5.9
Net-(D317-DOUT): length 12.2
  Top w0.2: 244.2,5.9 245.87,5.9 246.9,4.88 253.2,4.88 253.93,4.15 255.7,4.15
Net-(D318-DOUT): length 12.2
  Top w0.2: 252.2,5.9 253.65,5.9 254.68,4.88 261.3,4.88 262.03,4.15 263.7,4.15
Net-(D319-DOUT): length 12.2
  Top w0.2: 260.2,5.9 261.87,5.9 262.9,4.88 269.3,4.88 270.03,4.15 271.7,4.15
Net-(D320-DOUT): length 12.2
  Top w0.2: 279.7,4.15 277.93,4.15 277.2,4.88 270.9,4.88 269.87,5.9 268.2,5.9
Net-(D321-DOUT): length 12.2
  Top w0.2: 276.2,5.9 277.65,5.9 278.68,4.88 285.2,4.88 285.93,4.15 287.7,4.15
Net-(Q1-Pad4): length 55.6
  Top w0.4: Q2.4 32.36,36.45 31.45,37.36 R16.2 32.37,37.36 v1(32.46,37.46) ; Q1.4 18.55,9.05 R14.2 21.26,8.89 v1(21.26,14.44)
  Top w0.6: R14.2 19.99,5.11 R15.1
  Bottom w0.4: v1(21.26,14.44) 21.26,22.04 29.3,30.07 32.8,30.07 35.59,32.87 35.59,36.78 34.44,37.94 32.94,37.94 v1(32.46,37.46)
Net-(R1-Pad2): length 4.6
  Top w0.4: R1.2 7.95,17.07 R4.1
Net-(U2-CC1): length 63.6
  Top w0.2: U5.2 U5.1 20.28,56.71 v1(18.1,54.53) 18.03,54.46 ; v1(4.49,8.82) 4.81,8.5 U2.A5
  Bottom w0.2: v1(18.1,54.53) 17,54.53 3.14,40.66 3.14,10.18 v1(4.49,8.82)
Net-(U2-CC2): length 67.5
  Top w0.2: U5.4 U5.5 21.39,59.6 21.39,56.16 18.48,53.26 v1(16.61,53.26) 16.49,53.38 D3.2 ; v1(3.74,10.57) 3.74,7.43 5.67,5.5 U2.B5
  Bottom w0.2: v1(3.74,10.57) 3.74,40.41 16.58,53.26 v1(16.61,53.26)
Net-(U4-FB): length 15.3
  Top w0.6: R8.1 16.27,35.07 R7.2 19.52,31.82 v1(26.49,31.82)
  Bottom w0.6: v1(26.49,31.82) 26.49,32.76 26.69,32.96 U4.2
Net-(U4-VC): length 5.1
  Top w0.6: v1(23.99,38.07) 23.24,37.32 C319.2
  Bottom w0.6: v1(23.99,38.07) 23.29,37.38 U4.4
Net-(U5-ADDR0): length 15.9
  Top w0.2: U5.12 27.05,61.32 R6.2 26.73,63.07 v1(26.55,63.07) ; v1(19.05,68.07) 18.8,67.82 18.8,66.75
  Bottom w0.2: v1(26.55,63.07) 24.05,63.07 v1(19.05,68.07)
Net-(U5-ADDR1): length 25.2
  Top w0.2: U5.13 25.12,62.63 25.12,64.96 22.83,67.25 22.63,67.25 R10.2 21.2,68.68 16.83,68.68 8.77,60.62 R12.1
Net-(U5-DISCH): length 28.4
  Top w0.2: U5.9 24.68,59.34 v1(24.82,59.34) ; v1(15.55,50.68) 15.14,50.27 15.14,38.96 R17.2 ; v1(23.55,58.07) 23.55,57.57 23.8,57.32 v1(23.8,55.18)
  Bottom w0.2: v1(23.8,55.18) 20.41,55.18 15.91,50.68 v1(15.55,50.68) ; v1(23.55,58.07) v1(24.82,59.34)
Net-(U5-VBUS_EN_SNK): length 74.3
  Top w0.3: v1(13.8,34.82) 13.83,34.82 16.01,32.65 17.71,32.65 19.99,30.37 R14.1 ; U5.16 24.3,63.93 24.3,65.07 23.55,65.82 16.8,65.82 9.05,58.07 9.05,45.07 12.39,41.74 12.39,38.16 v1(11.8,37.57)
  Bottom w0.3: v1(13.8,34.82) 13.8,35.57 v1(11.8,37.57)
Net-(U5-VBUS_VS_DISCH): length 57.1
  Top w0.2: R4.2 5.02,22.8 5.06,22.8 10.19,27.92 10.19,31.11 10.55,31.48 10.55,34.82 13.24,37.51 v1(13.24,55.82)
  Top w0.3: U5.18 21.83,65.32 17.3,65.32 v1(13.55,61.57)
  Bottom w0.3: v1(13.55,61.57) 13.24,61.26 v1(13.24,55.82)
Net-(U5-VDD): length 100.6
  Top w0.6: Q2.2 34.19,35.77 v1(34.89,36.48) 35.49,37.07 35.49,39.69 C313.1 32.98,40.64 28.75,44.88 19.35,44.88 v1(18.05,43.57) ; Q2.1 33.06,35.77 ; v1(31.74,31.32) 31.74,18.76 22.95,9.97 R15.2 21.57,3.7 16.89,3.7 Q1.1 13.49,8.35 ; 20.17,62.22 20.06,62.33 19.69,62.33 16.68,59.31 16.68,57.86 14.05,55.23 v1(14.05,47.57)
  Bottom w0.6: v1(34.89,36.48) 31.74,33.32 v1(31.74,31.32) ; v1(14.05,47.57) v1(18.05,43.57)
Net-(U5-VREG_1V2): length 10.7
  Top w0.3: U5.21 19.9,64.82 17.8,64.82 13.59,60.62 C314.1

## Copper pours and planes (outline as drawn; the poured copper is in the pictures)
+5V on Top: 0.15,82.5 0.15,0 298.95,0 298.95,82.5
GND on Top: 0.55,28.07 12.3,41.82 31.55,40.82 37.55,47.32 40.55,47.32 40.3,38.07 37.3,30.57 32.52,23.4 25.3,10.82 7.55,10.07 0.55,10.07
GND on Bottom: 0.15,82.5 0.15,0 298.95,0 298.95,82.5

## Text on the board
F.Silkscreen: Designed by Evan Yu | PixelWave
